# Altium PCB BMS-P00-V01.PcbDoc (part 1 of 2)
Units mm, origin at the board's own origin, x right, y up, seen from the top; angles counter-clockwise.
Board outline 70 x 160 mm, 2 copper layers (Top Layer, Bottom Layer), stack 1.57 mm thick; 200 components, 138 nets, 624 pads, 162 vias.
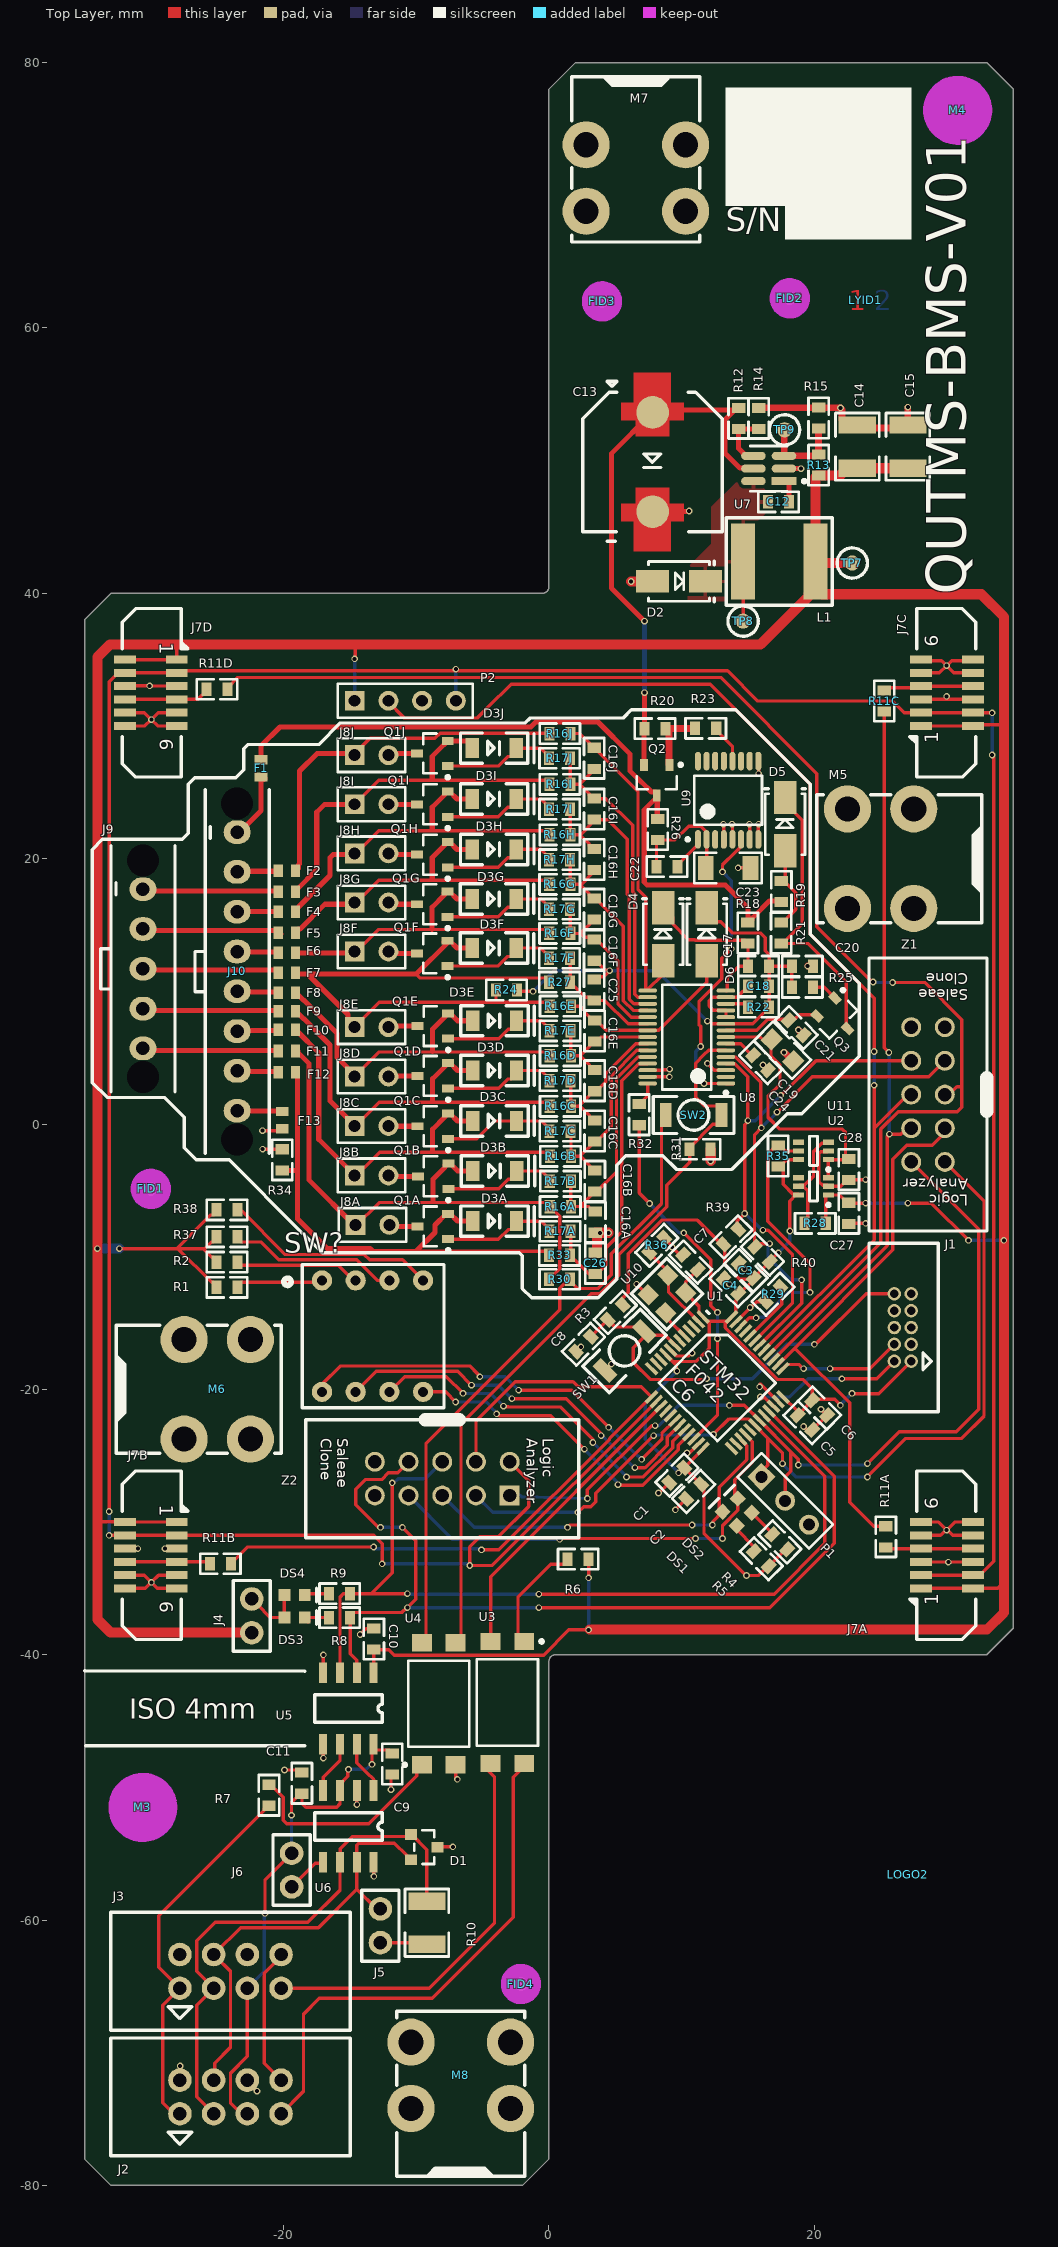
[diagram p0: Top Layer view]
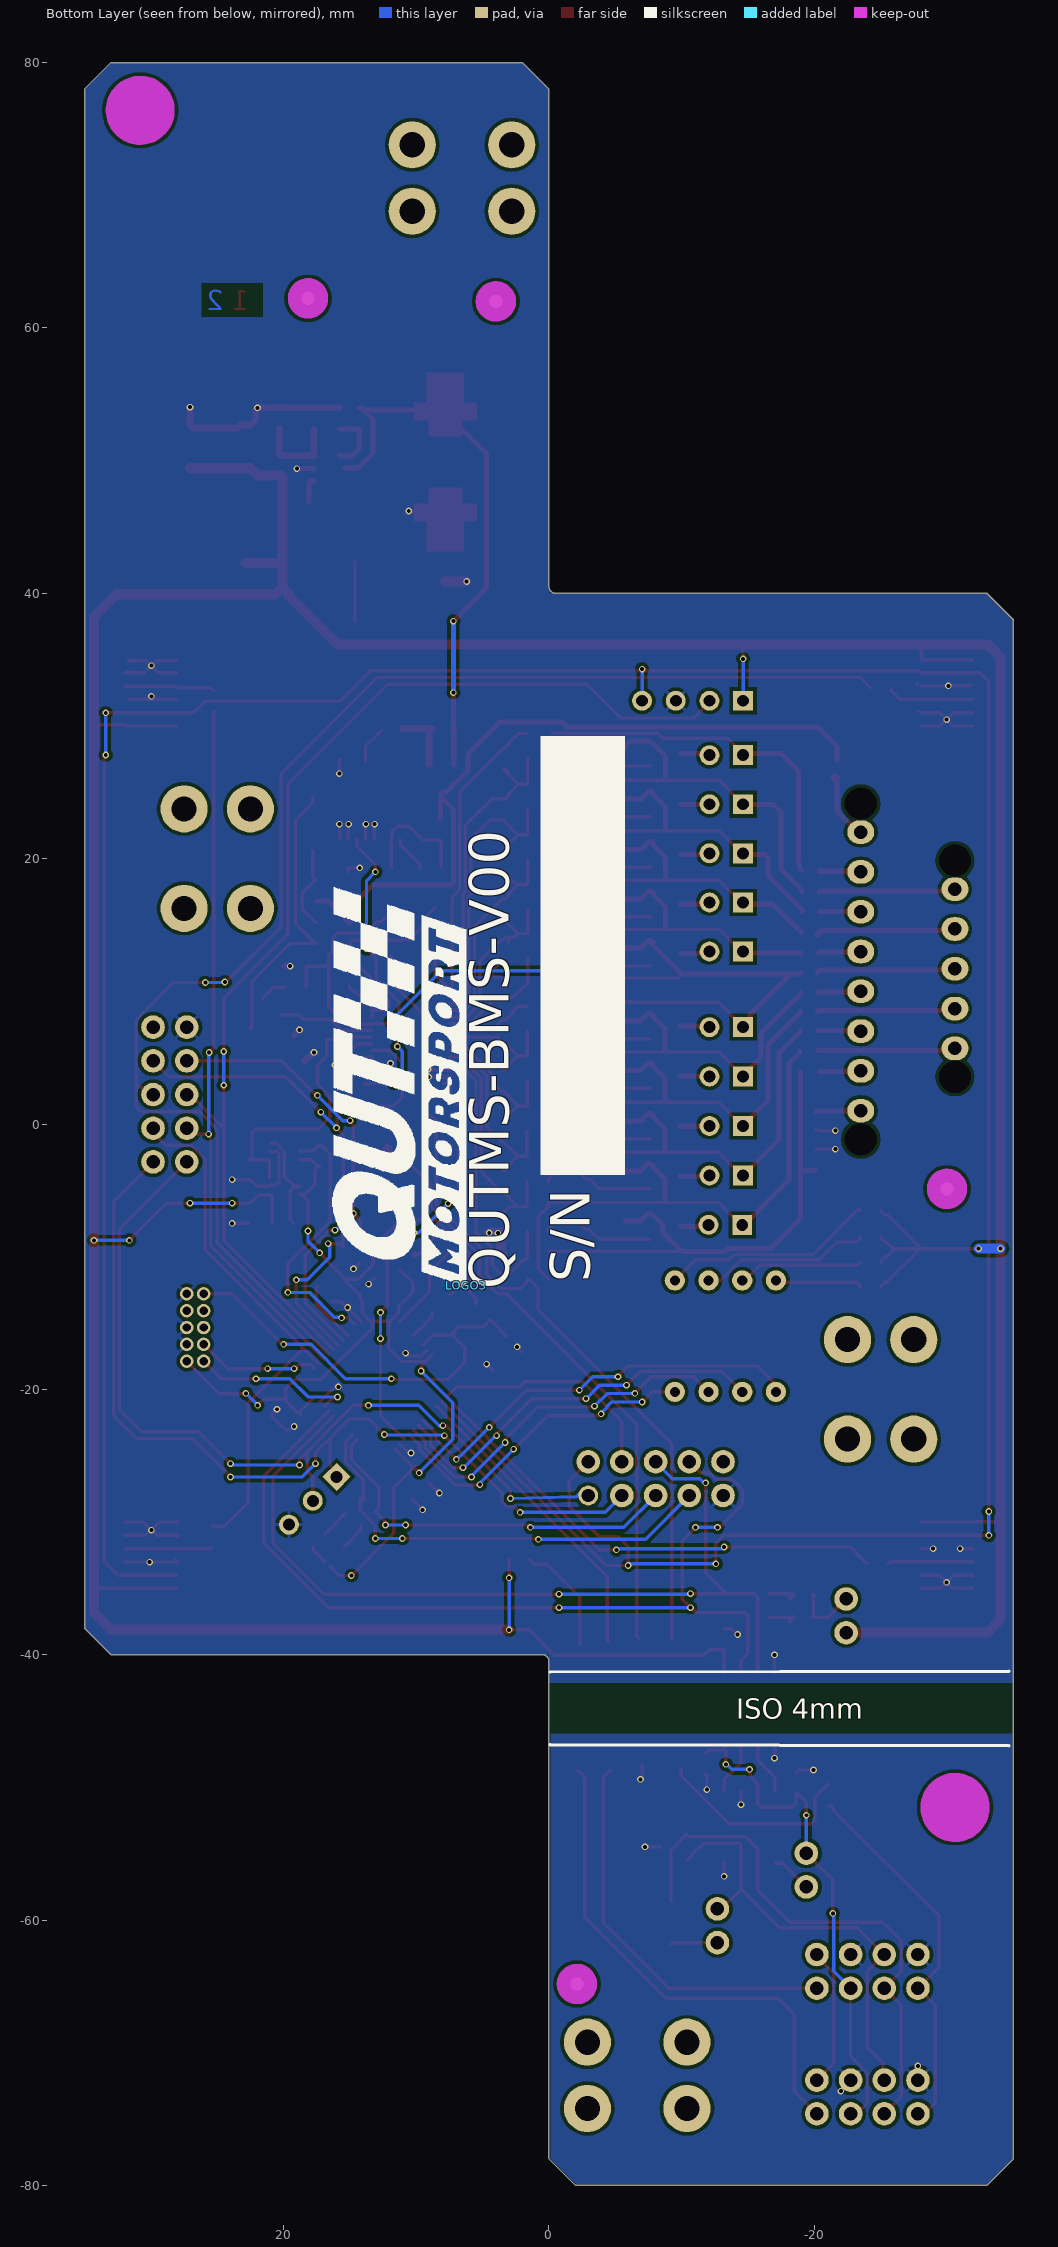
[diagram p1: Bottom Layer view, seen from below]
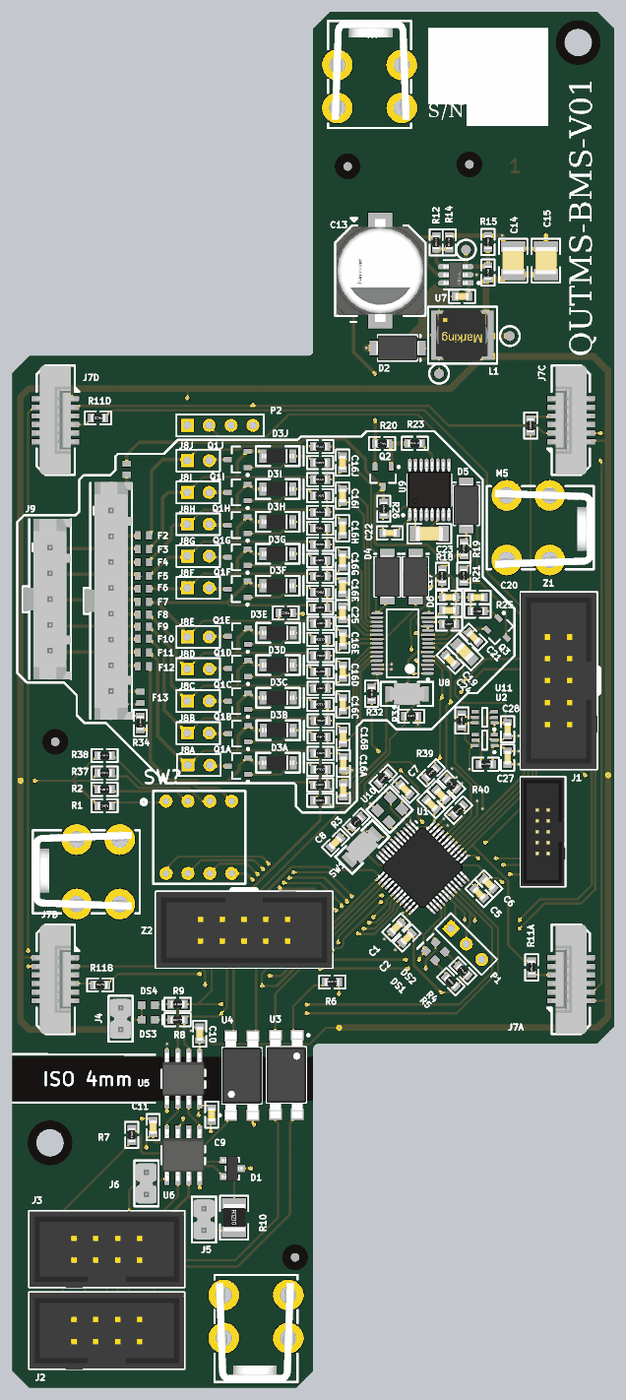
[diagram p3: 3D render of the assembled board from above, using the file's embedded part models]

## Layer stack, top to bottom
Top Solder: solder mask 0.0102, Solder Resist, Dk 3.5
Top Layer: signal copper 0.0356
Dielectric 1: core 1.4986, Core-043, Dk 4.3
Bottom Layer: signal copper 0.0356
Bottom Solder: solder mask 0.0102, Solder Resist, Dk 3.5

## Board outline
-35,-78 -33,-80 -2,-80 0,-78 0,-40.5 cw(c0.5,-40.5) 0.5,-40 33,-40 35,-38 35,78 33,80 2,80 0,78 0,40.5 cw(c-0.5,40.5) -0.5,40 -33,40 -35,38

## Design rules (kind name [scope] priority, off if disabled: settings)
Clearance [All] p1: gap=0.254 ignorepadtopadclearanceinfootprint=FALSE except(0: Arc-Hole Track-Hole SMDPad-Hole THPad-Hole Via-Hole Fill-Hole Poly-Hole Region-Hole Text-Hole; 0.152: Arc-Arc Arc-Track Arc-SMDPad Track-Track Track-SMDPad SMDPad-SMDPad)
ComponentClearance [All] p1: gap=0.178 collisioncheckmode=3 verticalgap=0.15 showdistances=FALSE
HoleSize [All] p1: absolutevalues=TRUE maxlimit=4 minlimit=0.025 maxpercent=80.000 minpercent=20.000
HoleToHoleClearance [All] p1: gap=0.15 allowstackedmicrovias=TRUE
MinimumSolderMaskSliver [All] p1: minsoldermaskwidth=0.045
PolygonConnect [All] p1: thpad.connectstyle=Relief thpad.reliefconductorwidth=0.254 thpad.reliefentries=4 thpad.polygonreliefangle="45 Angle" thpad.airgapwidth=0.254 smdpad.connectstyle=Relief smdpad.reliefconductorwidth=0.254 smdpad.reliefentries=4 smdpad.polygonreliefangle="90 Angle" smdpad.airgapwidth=0.254 via.connectstyle=Direct via.reliefconductorwidth=0.254 via.reliefentries=4 via.polygonreliefangle="90 Angle" via.airgapwidth=0.254
RoomDefinition PSU [InComponentClass('PSU')] p1: confinementstyle=ConfineIn formatcopy=TRUE lockcomponents=FALSE outline 2.099,37.574 29.083,37.574 29.083,57.694 2.099,57.694
RoutingVias [All] p1: holewidth=0.3 width=0.5 viastyle="Through Hole" minholewidth=0.3 minwidth=0.5 maxholewidth=0.381 maxwidth=0.762
SilkToSilkClearance SilkToSilkClearance_Text [IsObjectKind('Text')] p1: silktosilkclearance=0
SilkToSilkClearance [All] p2: silktosilkclearance=0
SilkToSolderMaskClearance [IsPad] p1: minsilkscreentomaskgap=0.005 clearancetoexposedcopper=FALSE
SolderMaskExpansion [All] p1: expansion=0.102
Width "Schematic Width Constraint_34" [InNet('NetJ8J_2')] p1: maxlimit=0.762 minlimit=0.381 preferedwidth=0.508 minimp=50.000000 maximp=50.000000 favimp=50.000000
Width "Schematic Width Constraint_33" [InNet('NetJ8H_2')] p2: maxlimit=0.762 minlimit=0.381 preferedwidth=0.508 minimp=50.000000 maximp=50.000000 favimp=50.000000
Width "Schematic Width Constraint_32" [InNet('NetJ8F_2')] p3: maxlimit=0.762 minlimit=0.381 preferedwidth=0.508 minimp=50.000000 maximp=50.000000 favimp=50.000000
Width "Schematic Width Constraint_31" [InNet('NetJ8I_2')] p4: maxlimit=0.762 minlimit=0.381 preferedwidth=0.508 minimp=50.000000 maximp=50.000000 favimp=50.000000
Width "Schematic Width Constraint_30" [InNet('NetJ8D_2')] p5: maxlimit=0.762 minlimit=0.381 preferedwidth=0.508 minimp=50.000000 maximp=50.000000 favimp=50.000000
Width "Schematic Width Constraint_29" [InNet('NetJ8G_2')] p6: maxlimit=0.762 minlimit=0.381 preferedwidth=0.508 minimp=50.000000 maximp=50.000000 favimp=50.000000
Width "Schematic Width Constraint_28" [InNet('NetJ8B_2')] p7: maxlimit=0.762 minlimit=0.381 preferedwidth=0.508 minimp=50.000000 maximp=50.000000 favimp=50.000000
Width "Schematic Width Constraint_27" [InNet('NetJ8E_2')] p8: maxlimit=0.762 minlimit=0.381 preferedwidth=0.508 minimp=50.000000 maximp=50.000000 favimp=50.000000
Width "Schematic Width Constraint_26" [InNet('NetJ8C_2')] p9: maxlimit=0.762 minlimit=0.381 preferedwidth=0.508 minimp=50.000000 maximp=50.000000 favimp=50.000000
Width "Schematic Width Constraint_25" [InNet('NetJ8A_2')] p10: maxlimit=0.762 minlimit=0.381 preferedwidth=0.508 minimp=50.000000 maximp=50.000000 favimp=50.000000
Width [All] p11: maxlimit=0.762 minlimit=0.254 preferedwidth=0.508 minimp=50.000000 maximp=50.000000 favimp=50.000000
24 further rules are at their usual default settings.

## Classes and differential pairs
channel class BMS-S09-V01-TemperatureSensors: FlexPCBTempSensors1 FlexPCBTempSensors2 FlexPCBTempSensors3 FlexPCBTempSensors4
channel class BMS-S03-V01-CellInterface: "CELL 1 INTERFACE" "CELL 2 INTERFACE" "CELL 3 INTERFACE" "CELL 4 INTERFACE" "CELL 5 INTERFACE" "CELL 6 INTERFACE" "CELL 7 INTERFACE" "CELL 8 INTERFACE" "CELL 9 INTERFACE" "CELL 10 INTERFACE"
net class TEMP[1..4]: TEMP1 TEMP2 TEMP3 TEMP4 TEMP5
component class "Temperature Sensor Interface": P2
component class PSU: C12 C13 C14 C15 D2 L1 R12 R13 R14 R15 TP7 TP8 TP9 U7
component class Microcontroller: C1 C2 C3 C4 C5 C6 C7 C8 C27 C28 DS1 DS2 J1 P1 R1 R2 R3 R4 R5 R28 R29 R35 R36 R37 R38 R39 R40 SW1 SW? U1 U2 U10 U11 Z1 Z2
component class Isolation: J2 J3 R6 R7 U3 U4
component class "Isolated CAN": C9 C10 C11 D1 DS3 DS4 J4 J5 J6 R8 R9 R10 U5 U6
component class FlexPCBTempSensors4: J7D R11D
component class FlexPCBTempSensors3: J7C R11C
component class FlexPCBTempSensors2: J7B R11B
component class FlexPCBTempSensors1: J7A R11A
component class "Cell Monitor": C17 C18 C19 C20 C21 C22 C23 C24 C25 C26 D4 D5 D6 F1 F2 F3 F4 F5 F6 F7 F8 F9 F10 F11 F12 F13 J9 J10 Q2 Q3 R18 R19 R20 R21 R22 R23 R24 R25 R26 R27 R30 R31 R32 R33 R34 SW2 U8 U9
component class "CELL 10 INTERFACE": C16J D3J J8J Q1J R16J R17J
component class "CELL 9 INTERFACE": C16I D3I J8I Q1I R16I R17I
component class "CELL 8 INTERFACE": C16H D3H J8H Q1H R16H R17H
component class "CELL 7 INTERFACE": C16G D3G J8G Q1G R16G R17G
component class "CELL 6 INTERFACE": C16F D3F J8F Q1F R16F R17F
component class "CELL 5 INTERFACE": C16E D3E J8E Q1E R16E R17E
component class "CELL 4 INTERFACE": C16D D3D J8D Q1D R16D R17D
component class "CELL 3 INTERFACE": C16C D3C J8C Q1C R16C R17C
component class "CELL 2 INTERFACE": C16B D3B J8B Q1B R16B R17B
component class "CELL 1 INTERFACE": C16A D3A J8A Q1A R16A R17A
component class BMS-S01-V01-BatteryManagementSystem: FID1 FID2 FID3 FID4 LOGO1 LOGO2 LOGO3 LYID1 M3 M4 M5 M6 M7 M8

## Components (designator, comment, footprint, x,y, rotation, side; value= is the part's Value field where it differs from the comment)
C1 "100nF" CAP_CERAMIC_0603 9.639,-26.461 r45 top
C2 "4u7" CAP_CERAMIC_0603 10.9,-27.7 r45 top
C3 "100nF" CAP_CERAMIC_0603 14.859,-11.049 r315 top
C4 "4u7" CAP_CERAMIC_0603 13.716,-12.192 r315 top
C5 "100nF" CAP_CERAMIC_0603 19.3,-22.5 r135 top
C6 "4u7" CAP_CERAMIC_0603 20.4,-21.4 r135 top
C7 "100nF" CAP_CERAMIC_0603 10.668,-10.414 r315 top
C8 "100nF" CAP_CERAMIC_0603 2.6,-16.6 r45 top
C9 "100nF" CAP_CERAMIC_0603 -11.811,-48.229 r90 top
C10 "100nF" CAP_CERAMIC_0603 -13.2,-38.825 r270 top
C11 "100nF" CAP_CERAMIC_0603 -18.617,-49.685 r270 top
C12 "100nF 100V" CAP_CERAMIC_0603 17.3,46.893 r180 top
C13 "47uF 80V 10% AluPoly 10x10mm" CAP_ALU_10X10MM 7.8,49.893 r90 top
C14 "47uF 16V" Cap_Ceramic_1210 23.241,51.054 r270 top
C15 "47uF 16V" Cap_Ceramic_1210 27.051,51.054 r270 top
C16A "220nF" CAP_CERAMIC_0603 3.5,-7.4 r90 top (schematic designator C16)
C16B "220nF" CAP_CERAMIC_0603 3.457,-4.307 r90 top (schematic designator C16)
C16C "220nF" CAP_CERAMIC_0603 3.438,-0.535 r90 top (schematic designator C16)
C16D "220nF" CAP_CERAMIC_0603 3.438,3.265 r90 top (schematic designator C16)
C16E "220nF" CAP_CERAMIC_0603 3.438,7.015 r90 top (schematic designator C16)
C16F "220nF" CAP_CERAMIC_0603 3.4,13.1 r90 top (schematic designator C16)
C16G "220nF" CAP_CERAMIC_0603 3.402,16.195 r90 top (schematic designator C16)
C16H "220nF" CAP_CERAMIC_0603 3.404,19.931 r90 top (schematic designator C16)
C16I "220nF" CAP_CERAMIC_0603 3.404,23.731 r90 top (schematic designator C16)
C16J "220nF" CAP_CERAMIC_0603 3.404,27.565 r90 top (schematic designator C16)
C17 "220nF" CAP_CERAMIC_0603 15.8,11.9 r180 top
C18 "1uF 25V" CAP_CERAMIC_0603 15.8,10.4 r180 top
C19 "10uF 25V 0805" CAP_CERAMIC_0805 17.6,5.556 r135 top
C20 "220nF" CAP_CERAMIC_0603 19.1,11.9 r180 top
C21 "1uF 25V" CAP_CERAMIC_0603 18.639,7.261 r135 top
C22 "470nF" CAP_CERAMIC_0603 8.9,19.4 r0 top
C23 "10uF 25V 1206" CAP_CERAMIC_1206 13.5,19.3 r180 top
C24 "1uF 25V" CAP_CERAMIC_0603 15.949,4.625 r135 top
C25 "220nF" CAP_CERAMIC_0603 3.4,10.1 r270 top
C26 "220nF" CAP_CERAMIC_0603 3.5,-10.5 r270 top
C27 "100nF" Cap_Ceramic_0603 22.606,-6.731 r90 top
C28 "100nF" Cap_Ceramic_0603 22.606,-3.429 r90 top
D1 "NUP2105L" NUP2105L -9.4,-54.5 r270 top
D2 "B260A-13-F" SMA 9.8,40.893 r0 top
D3A "BZT52C5V6-7-F" SOD123 -4.097,-7.319 r0 top (schematic designator D3)
D3B "BZT52C5V6-7-F" SOD123 -4.078,-3.541 r0 top (schematic designator D3)
D3C "BZT52C5V6-7-F" SOD123 -4.097,0.231 r0 top (schematic designator D3)
D3D "BZT52C5V6-7-F" SOD123 -4.097,4.031 r0 top (schematic designator D3)
D3E "BZT52C5V6-7-F" SOD123 -4.097,7.781 r0 top (schematic designator D3)
D3F "BZT52C5V6-7-F" SOD123 -4.133,13.261 r0 top (schematic designator D3)
D3G "BZT52C5V6-7-F" SOD123 -4.133,16.961 r0 top (schematic designator D3)
D3H "BZT52C5V6-7-F" SOD123 -4.131,20.697 r0 top (schematic designator D3)
D3I "BZT52C5V6-7-F" SOD123 -4.131,24.497 r0 top (schematic designator D3)
D3J "BZT52C5V6-7-F" SOD123 -4.131,28.331 r0 top (schematic designator D3)
D4 "1N4448WQ-7-F" SMA 8.6,14.3 r90 top
D5 "1N4448WQ-7-F" SMA 17.8,22.6 r90 top
D6 "1N4448WQ-7-F" SMA 11.9,14.3 r90 top
DS1 "LED Orange" "LED ORANGE 0603" 13.62,-29.749 r135 top
DS2 "LED Orange" "LED ORANGE 0603" 14.763,-28.766 r135 top
DS3 "LED Blue 0603" "LED BLUE 0603" -19.175,-37.2 r0 top
DS4 "LED Blue 0603" "LED BLUE 0603" -19.175,-35.5 r0 top
F1 "3412.0124.22" 3412.0124.22 -21.7,26.8 r90 top
F2 "3412.0124.22" 3412.0124.22 -19.75,19.1 r0 top
F3 "3412.0124.22" 3412.0124.22 -19.75,17.5 r0 top
F4 "3412.0124.22" 3412.0124.22 -19.75,16 r0 top
F5 "3412.0124.22" 3412.0124.22 -19.75,14.4 r0 top
F6 "3412.0124.22" 3412.0124.22 -19.75,12.9 r0 top
F7 "3412.0124.22" 3412.0124.22 -19.75,11.4 r0 top
F8 "3412.0124.22" 3412.0124.22 -19.75,9.9 r0 top
F9 "3412.0124.22" 3412.0124.22 -19.75,8.5 r0 top
F10 "3412.0124.22" 3412.0124.22 -19.75,7.1 r0 top
F11 "3412.0124.22" 3412.0124.22 -19.75,5.5 r0 top
F12 "3412.0124.22" 3412.0124.22 -19.75,3.9 r0 top
F13 "3412.0124.22" 3412.0124.22 -20.1,0.3 r270 top
FID1 "Fiducial 1MM" "FIDUCIAL 1MM" -30,-4.891 r0 top
FID2 "Fiducial 1MM" "FIDUCIAL 1MM" 18.161,62.23 r90 top
FID3 "Fiducial 1MM" "FIDUCIAL 1MM" 4,62 r90 top
FID4 "Fiducial 1MM" "FIDUCIAL 1MM" -2.108,-64.821 r90 top
J1 "IDC 10P 2x5 1.27mm" "IDC 1.27MM 10P" 26.665,-15.34 r90 top
J2 "IDC 8P 2x4" "IDC 2.54MM 8P" -24.002,-73.33 r0 top
J3 "IDC 8P 2x4" "IDC 2.54MM 8P" -24.002,-63.866 r0 top
J4 "Jumper 2Way Pins" Jumper_2Way_Pin -22.4,-35.8 r90 top
J5 "Jumper 2Way Pins" Jumper_2Way_Pin -12.7,-61.7 r270 top
J6 "Jumper 2Way Pins" Jumper_2Way_Pin -19.4,-57.5 r270 top
J7A "0526100672" 526100672 30,-32.5 r90 top (schematic designator J7)
J7B "0526100672" 526100672 -30,-32.5 r270 top (schematic designator J7)
J7C "0526100672" 526100672 30,32.5 r90 top (schematic designator J7)
J7D "0526100672" 526100672 -30,32.5 r270 top (schematic designator J7)
J8A "Bleed Header" HDR1X2 -14.567,-7.6 r0 top (schematic designator J8)
J8B "Bleed Header" HDR1X2 -14.64,-3.875 r0 top (schematic designator J8)
J8C "Bleed Header" HDR1X2 -14.64,-0.15 r0 top (schematic designator J8)
J8D "Bleed Header" HDR1X2 -14.64,3.575 r0 top (schematic designator J8)
J8E "Bleed Header" HDR1X2 -14.64,7.3 r0 top (schematic designator J8)
J8F "Bleed Header" HDR1X2 -14.64,13 r0 top (schematic designator J8)
J8G "Bleed Header" HDR1X2 -14.64,16.7 r0 top (schematic designator J8)
J8H "Bleed Header" HDR1X2 -14.64,20.4 r0 top (schematic designator J8)
J8I "Bleed Header" HDR1X2 -14.64,24.1 r0 top (schematic designator J8)
J8J "Bleed Header" HDR1X2 -14.64,27.8 r0 top (schematic designator J8)
J9 "436500519" Microfit_1X5_V_TH -30.6,11.7 r90 top
J10 "436500819" Microfit_1X8_V_TH -23.5,11.5 r90 top
L1 "74404064221" Inductor_6x6mm 17.3,42.393 r0 top
LOGO1 "LBL High Voltage M" "LBL HV MEDIUM" 48.267,-56.594 r0 top
LOGO2 "LBL High Voltage M" "LBL HV MEDIUM" 27.058,-56.594 r0 top
LOGO3 "30mm Wide QUTMS Logo" "QUTMS LOGO 30MM" 6.223,-12.192 r90 bottom
LYID1 "2 Layer Identification PCB Marker" "LAYER IDENT 2" 23.876,62.103 r0 top
M3 "Hole M3 Tight Unplated" "M3.2 UNPLATED" -30.607,-51.511 r0 top
M4 "Hole M3 Tight Unplated" "M3.2 UNPLATED" 30.81,76.403 r0 top
M5 "7695-2" "Keystone 7790" 25,20 r90 top
M6 "7695-2" "Keystone 7790" -25,-20 r270 top
M7 "7695-2" "Keystone 7790" 6.55,71.3 r180 top
M8 "7695-2" "Keystone 7790" -6.65,-71.7 r0 top
P1 "UART" HDR1X3 16.004,-26.604 r315 top
P2 "Header 4" HDR1X4 -14.64,31.9 r0 top
Q1A "MOSFET N" PMV15UNEAR -8.746,-7.719 r180 top (schematic designator Q1)
Q1B "MOSFET N" PMV15UNEAR -8.727,-3.941 r180 top (schematic designator Q1)
Q1C "MOSFET N" PMV15UNEAR -8.746,-0.169 r180 top (schematic designator Q1)
Q1D "MOSFET N" PMV15UNEAR -8.746,3.631 r180 top (schematic designator Q1)
Q1E "MOSFET N" PMV15UNEAR -8.746,7.381 r180 top (schematic designator Q1)
Q1F "MOSFET N" PMV15UNEAR -8.782,12.861 r180 top (schematic designator Q1)
Q1G "MOSFET N" PMV15UNEAR -8.782,16.561 r180 top (schematic designator Q1)
Q1H "MOSFET N" PMV15UNEAR -8.78,20.297 r180 top (schematic designator Q1)
Q1I "MOSFET N" PMV15UNEAR -8.78,24.097 r180 top (schematic designator Q1)
Q1J "MOSFET N" PMV15UNEAR -8.78,27.931 r180 top (schematic designator Q1)
Q2 "BST82,215" BST82,215 8.124,25.922 r270 top
Q3 "BST82,215" BST82,215 21.7,8 r315 top
R1 "10k" Res_ThinFilm_0603 -24.257,-12.322 r180 top
R2 "10k" Res_ThinFilm_0603 -24.257,-10.417 r180 top
R3 "4k7" Res_ThinFilm_0603 5,-14.2 r45 top
R4 "330R" Res_ThinFilm_0603 16.004,-32.766 r315 top
R5 "330R" Res_ThinFilm_0603 17.399,-31.496 r315 top
R6 "100R" Res_ThinFilm_0603 2.2,-32.8 r0 top
R7 "150R" Res_ThinFilm_0603 -21.1,-50.593 r90 top
R8 "330R" Res_ThinFilm_0603 -15.775,-37.2 r180 top
R9 "330R" Res_ThinFilm_0603 -15.775,-35.4 r180 top
R10 "120R 1% 1210" Res_ThinFilm_1210 -9.2,-60.2 r270 top
R11A "0R" Res_ThinFilm_0603 25.4,-31.115 r270 top (schematic designator R11)
R11B "0R" Res_ThinFilm_0603 -24.765,-33.147 r180 top (schematic designator R11)
R11C "0R" Res_ThinFilm_0603 25.273,31.877 r90 top (schematic designator R11)
R11D "0R" Res_ThinFilm_0603 -25.019,32.766 r180 top (schematic designator R11)
R12 "10k 1%" Res_ThinFilm_0603 14.3,53.186 r90 top
R13 "68k 5% 0603" Res_ThinFilm_0603 20.32,49.657 r270 top
R14 "620R 1%" Res_ThinFilm_0603 15.8,53.186 r270 top
R15 "20k 5% 0603" Res_ThinFilm_0603 20.32,53.213 r270 top
R16A "1k" Res_ThinFilm_0603 0.854,-6.219 r0 top (schematic designator R16)
R16B "1k" Res_ThinFilm_0603 0.873,-2.441 r0 top (schematic designator R16)
R16C "1k" Res_ThinFilm_0603 0.854,1.331 r0 top (schematic designator R16)
R16D "1k" Res_ThinFilm_0603 0.854,5.131 r0 top (schematic designator R16)
R16E "1k" Res_ThinFilm_0603 0.854,8.881 r0 top (schematic designator R16)
R16F "1k" Res_ThinFilm_0603 0.818,14.361 r0 top (schematic designator R16)
R16G "1k" Res_ThinFilm_0603 0.818,18.061 r0 top (schematic designator R16)
R16H "1k" Res_ThinFilm_0603 0.82,21.797 r0 top (schematic designator R16)
R16I "1k" Res_ThinFilm_0603 0.82,25.597 r0 top (schematic designator R16)
R16J "1k" Res_ThinFilm_0603 0.82,29.431 r0 top (schematic designator R16)
R17A "1k" Res_ThinFilm_0603 0.838,-8.085 r0 top (schematic designator R17)
R17B "1k" Res_ThinFilm_0603 0.857,-4.307 r0 top (schematic designator R17)
R17C "1k" Res_ThinFilm_0603 0.838,-0.535 r0 top (schematic designator R17)